# Altium PCB PCB2.PcbDoc
Units mm, origin at the board's own origin, x right, y up, seen from the top; angles counter-clockwise.
Board outline 104.52 x 60.96 mm, 2 copper layers (Top Layer, Bottom Layer); 59 components, 49 nets, 216 pads, 31 vias.
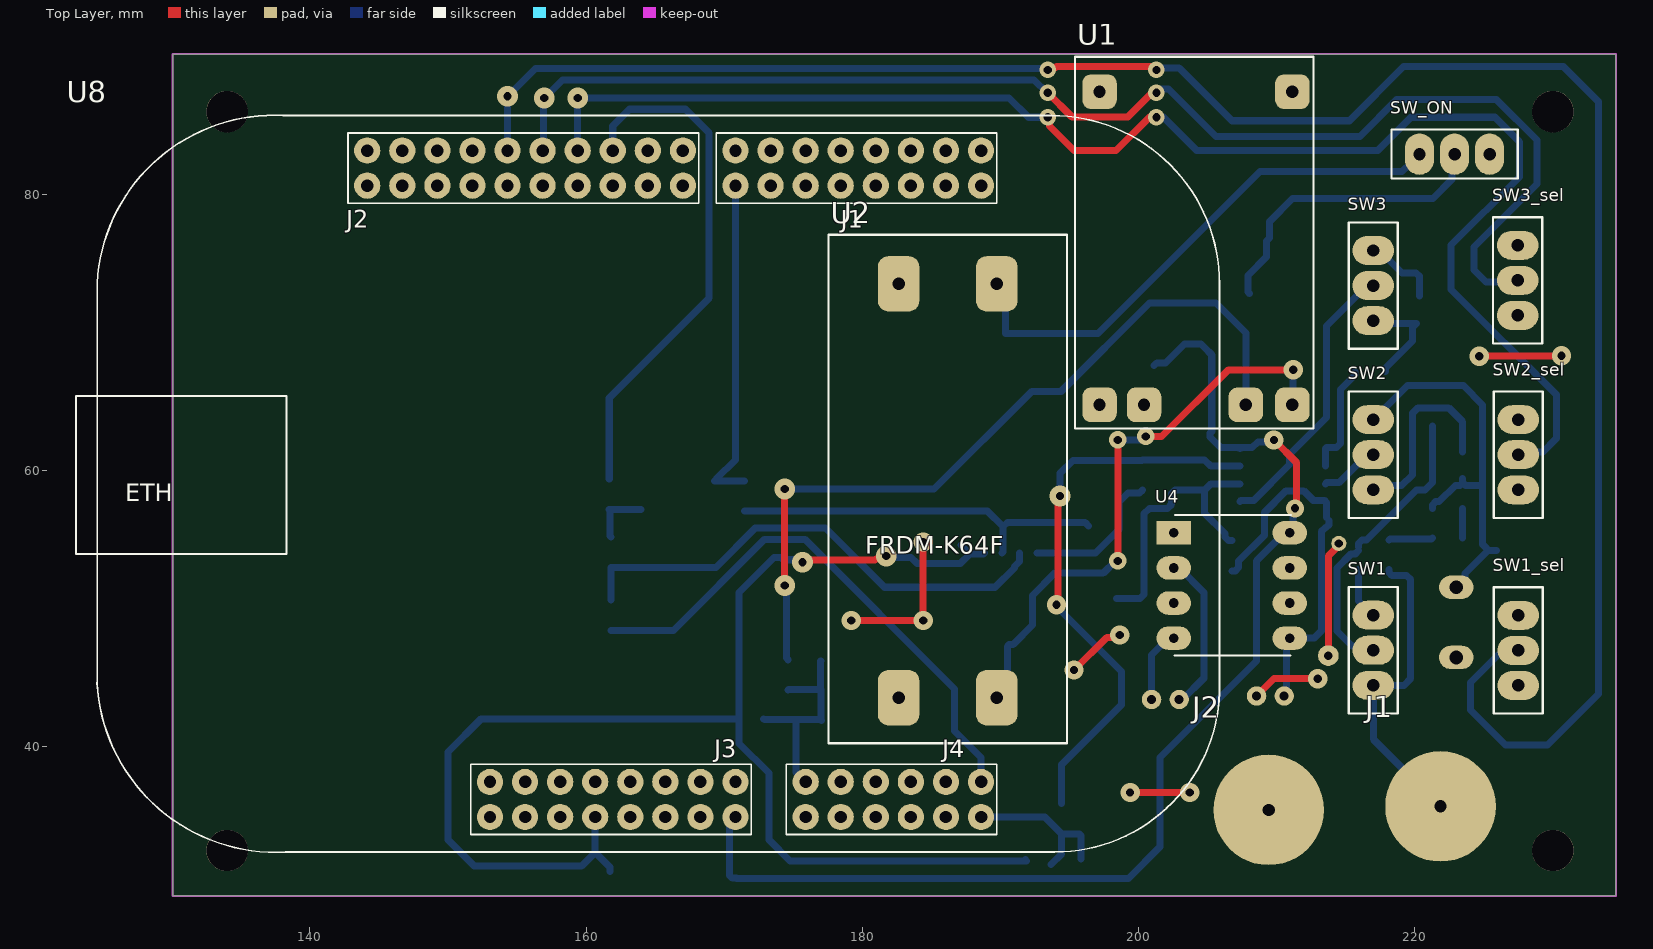
[diagram p0: Top Layer view]
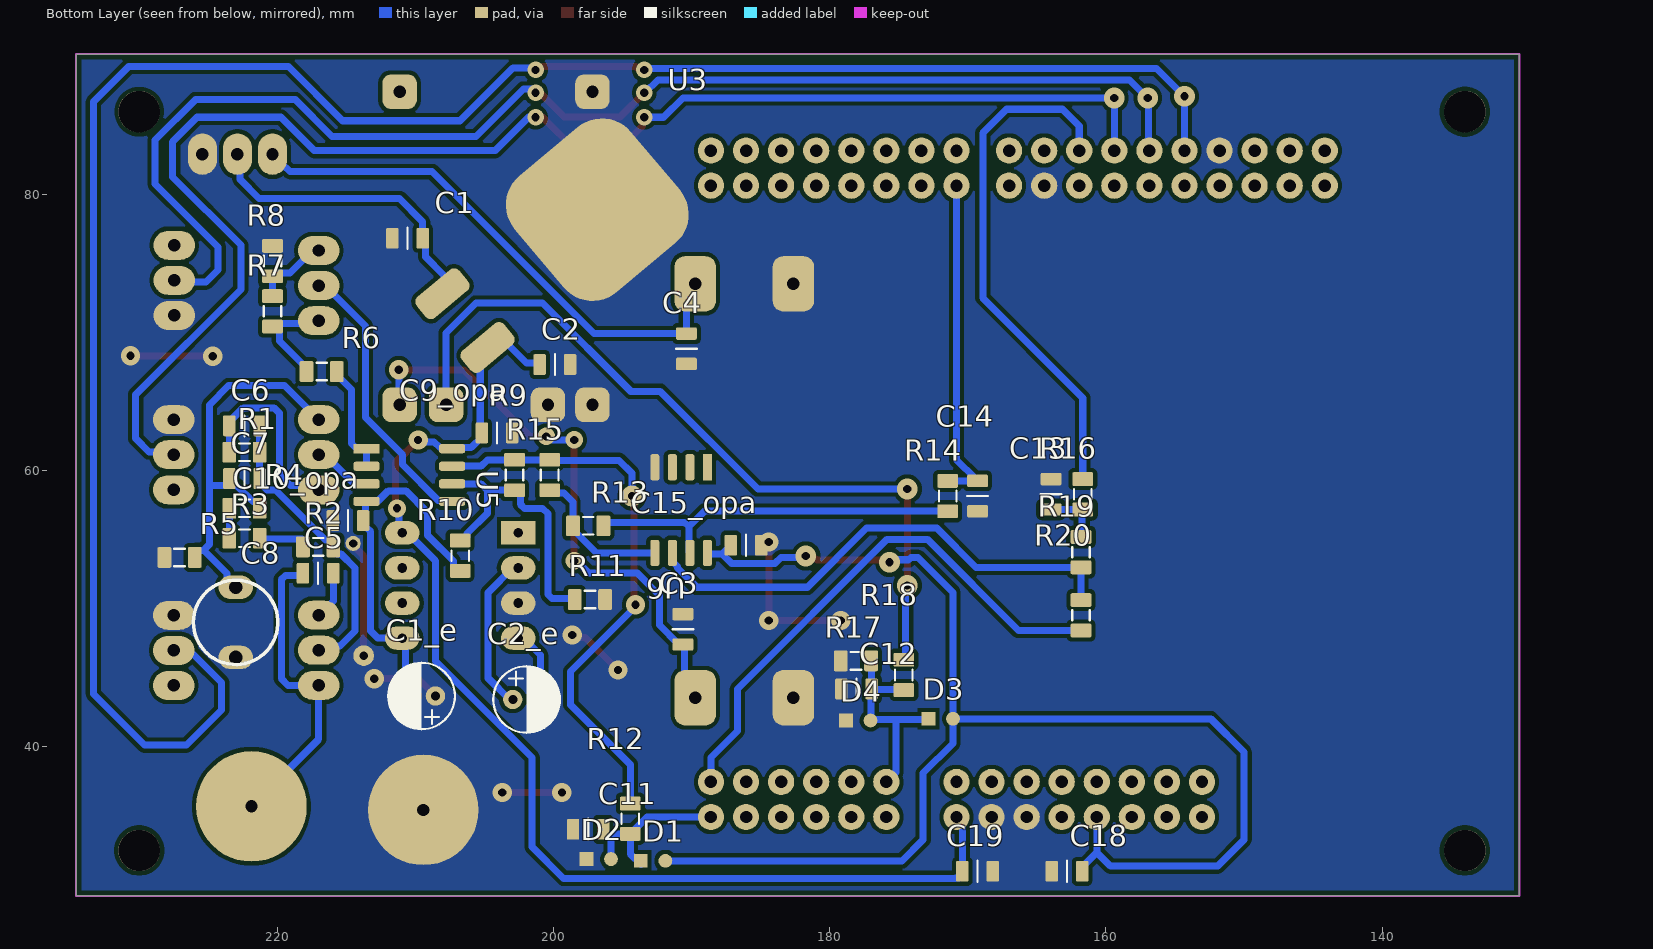
[diagram p1: Bottom Layer view, seen from below]
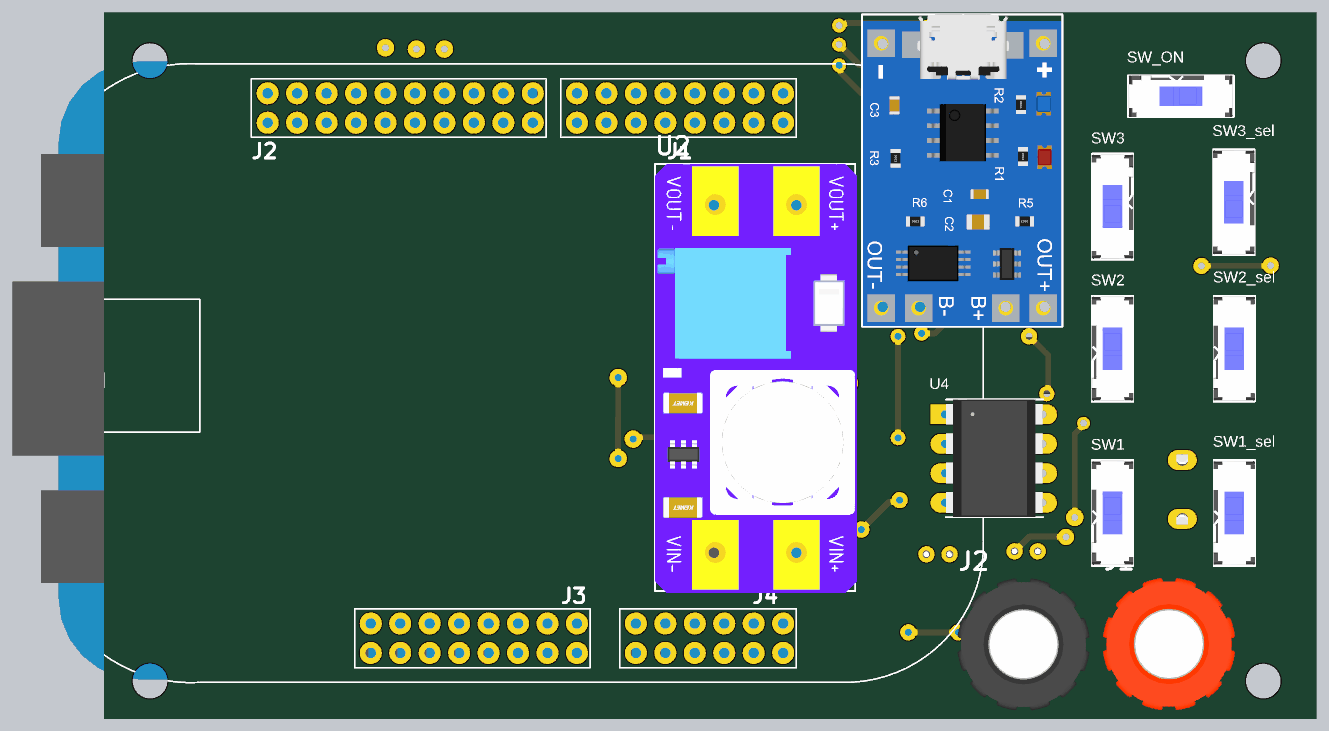
[diagram p2: 3D render of the assembled board from above, using the file's embedded part models]
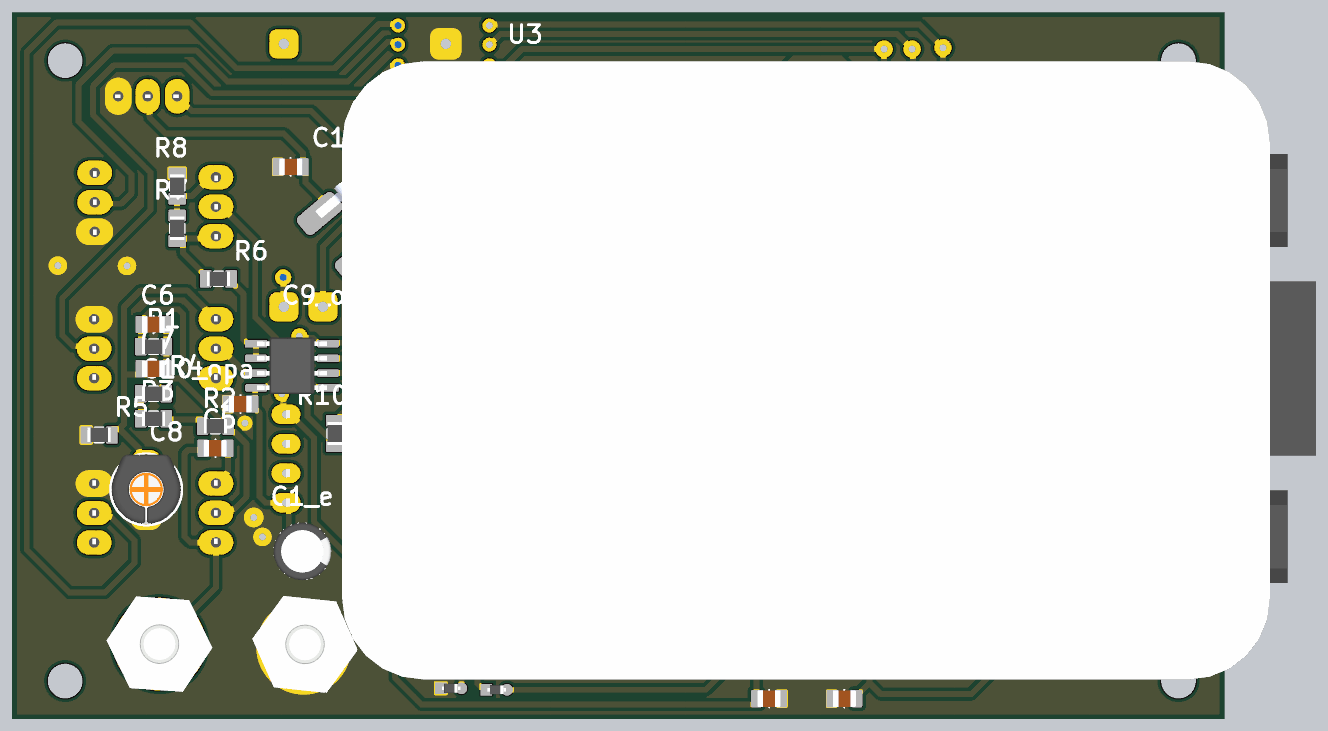
[diagram p3: 3D render of the assembled board from below, using the file's embedded part models]

## Layer stack, top to bottom
Top Solder: solder mask 0.0102, Solder Resist, Dk 3.5
Top Layer: signal copper 0.0356
Dielectric 1: dielectric 0.32, FR-4, Dk 4.8
Bottom Layer: signal copper 0.0356
Bottom Solder: solder mask 0.0102, Solder Resist, Dk 3.5

## Board outline
130.048,29.21 130.048,90.17 234.569,90.17 234.569,29.21

## Design rules (kind name [scope] priority, off if disabled: settings)
Clearance [All] p1: gap=0.31 ignorepadtopadclearanceinfootprint=FALSE
Height [All] p1: minheight=0 maxheight=40 prefheight=12.7
HoleSize [All] p1: absolutevalues=TRUE maxlimit=0.9 minlimit=0.6 maxpercent=80.000 minpercent=20.000
PlaneConnect [All] p1: planeconnectstyle=Direct reliefexpansion=0.508 reliefentries=4 reliefconductorwidth=0.254 reliefairgap=0.254
PolygonConnect [All] p1: connectstyle=Direct reliefconductorwidth=0.254 reliefentries=4 polygonreliefangle="90 Angle" airgapwidth=0.254
RoutingVias [All] p1: holewidth=0.6 width=1.27 viastyle="Through Hole" minholewidth=0.6 minwidth=1.27 maxholewidth=0.6 maxwidth=1.27
SolderMaskExpansion [All] p1: expansion=0.102 istentingtop=FALSE
Width [All] p1: maxlimit=0.508 minlimit=0.508 preferedwidth=0.508 minimp=50.000000 maximp=50.000000 favimp=50.000000
27 further rules are at their usual default settings.

## Components (designator, comment, footprint, x,y, rotation, side; value= is the part's Value field where it differs from the comment)
C1 "220n" 0805_CAPACITOR 210.566,76.835 r180 bottom
C1_e "10u" CAP_THT 209.55,43.688 r180 bottom
C2 "100n" 0805_CAPACITOR 199.898,67.691 r0 bottom
C2_e "10u" CAP_THT 201.946,43.434 r0 bottom
C3 "100n" 0805_CAPACITOR 190.627,48.514 r270 bottom
C4 "100n" 0805_CAPACITOR 190.373,68.834 r270 bottom
C5 "100n" 0805_CAPACITOR 217.043,52.578 r0 bottom
C6 "220p" 0805_CAPACITOR 222.377,63.246 r0 bottom
C7 "7p" 0805_CAPACITOR 222.377,59.436 r0 bottom
C8 "30p" CAP_TRIMM_THT 223.012,49.022 r270 bottom
C9_opa "100n" 0805_CAPACITOR 204.089,62.738 r0 bottom
C10_opa "100n" 0805_CAPACITOR 214.884,56.388 r0 bottom
C11 "100p" 0805_CAPACITOR 197.485,34.036 r180 bottom
C12 "10n" 0805_CAPACITOR 178.054,44.196 r180 bottom
C13 "10n" 0805_CAPACITOR 163.966,58.293 r270 bottom
C14 "100p" 0805_CAPACITOR 169.291,58.166 r90 bottom
C15_opa "100n" 0805_CAPACITOR 186.055,54.61 r0 bottom
C18 "10n" 0805_CAPACITOR 162.814,30.988 r180 bottom
C19 "10n" 0805_CAPACITOR 169.291,30.988 r0 bottom
D1 "1N4148WT" SOD-523 192.786,31.496 r180 bottom
D2 "1N4148WT" SOD-523 196.723,31.623 r180 bottom
D3 "1N4148WT" SOD-523 171.958,41.783 r180 bottom
D4 "1N4148WT" SOD-523 177.927,41.656 r180 bottom
J1 "Banana_conector" Banana_bourne_RED 221.869,35.687 r0 top
J2 "Banana_conector" Banana_bourne_BLACK 209.423,35.433 r0 top
R1 "100k" 0805_RESISTOR 222.377,61.341 r0 bottom
R2 "1M" 0805_RESISTOR 217.043,54.483 r0 bottom
R3 "560k" 0805_RESISTOR 222.377,55.118 r0 bottom
R4 "270K" 0805_RESISTOR 222.377,57.277 r180 bottom
R5 "200k" 0805_RESISTOR 227.076,53.721 r180 bottom
R6 "420" 0805_RESISTOR 216.789,67.183 r180 bottom
R7 "270" 0805_RESISTOR 220.345,71.544 r270 bottom
R8 "150" 0805_RESISTOR 220.345,75.184 r270 bottom
R9 "1k" 0805_RESISTOR 202.819,59.69 r90 bottom
R10 "3k3" 0805_RESISTOR 206.756,53.848 r270 bottom
R11 "1k5" 0805_RESISTOR 197.358,50.673 r180 bottom
R12 "150" 0805_RESISTOR 194.437,34.798 r90 bottom
R13 "100k" 0805_RESISTOR 197.485,56.007 r180 bottom
R14 "1k" 0805_RESISTOR 171.45,58.166 r270 bottom
R15 "150" 0805_RESISTOR 200.279,59.69 r270 bottom
R16 "100k" 0805_RESISTOR 161.671,58.293 r270 bottom
R17 "470k" 0805_RESISTOR 178.097,46.228 r0 bottom
R18 "220k" 0805_RESISTOR 174.625,45.212 r90 bottom
R19 "0" 0805_RESISTOR 161.798,54.102 r270 bottom
R20 "0" 0805_RESISTOR 161.798,49.53 r90 bottom
SW1 "SW" SW 217,47 r90 top
SW1_sel "SW" SW 227.5,46.99 r90 top
SW2 "SW" SW 217,61.159 r90 top
SW2_sel "SW" SW 227.5,61.159 r90 top
SW3 "SW" SW 217,73.406 r270 top
SW3_sel "SW" SW 227.457,73.787 r270 top
SW_ON "SW" SW 222.885,82.931 r0 top
U1 "TP4056" TP0456 204.033,76.27 r90 top
U2 "MT3608" MT3608 177.546,77.089 r270 top
U3 "L7805" D2PAK 200.66,75.692 r230 bottom
U4 "ICL7660S" "8 -PDIP" 206.756,51.435 r0 top
U5 "TL082C" 8-SOIC 210.439,59.69 r180 bottom
U6 "TL082C" 8-SOIC 190.754,57.15 r270 bottom
U8 "FRDMK64F" FRDMK64F 164.973,59.055 r0 top

## Footprints (in the part's own frame and the unit in brackets; to place one, negate y for a bottom-side part, rotate by r counter-clockwise, add the part's x,y. Pads: shape width x height; smd on the part's side, far side on the other; paste and mask are expansions set on the pad)
"8 -PDIP" [mm]
  rect 2.5x1.7 hole 0.7: 1(-4.2,4.064)
  oval 2.5x1.7 hole 0.7: 2(-4.2,1.524) 3(-4.2,-1.016) 4(-4.2,-3.556) 5(4.2,-3.556) 6(4.2,-1.016) 7(4.2,1.524) 8(4.2,4.064)
  silkscreen extent -4.14,-4.81 4.26,5.35, body extent -4.11,-4.81 4.22,5.35, height 6.51
8-SOIC [mm]
  rect 1.9x0.66 smd: 1(-3.1,1.905)
  rrect50% 1.9x0.66 smd: 2(-3.1,0.635) 3(-3.1,-0.635) 4(-3.1,-1.905) 5(3.1,-1.905) 6(3.1,-0.635) 7(3.1,0.635) 8(3.1,1.905)
  body extent -3.01,-2.45 3.01,2.45, height 1.63
0805_CAPACITOR [mm]
  rrect20% 0.9x1.5 smd mask+0.05: 1(-1.1,0) 2(1.1,0)
  silkscreen extent 0,-0.76 0,0.76, body extent -0.98,-0.72 1.02,0.72, height 1.24
0805_RESISTOR [mm]
  rrect20% 1x1.5 smd: 1(-1.1,0) 2(1.1,0)
  silkscreen extent -0.38,-0.64 0.38,0.64, body extent -1,-0.63 1,0.63, height 0.6
Banana_bourne_BLACK [mm]
  round 8 hole 0.9: 1(0,0)
  body extent -5.79,-5.46 5.59,5.92, height 28.19
Banana_bourne_RED [mm]
  round 8 hole 0.9: 1(0,0)
  body extent -5.69,-5.69 5.69,5.69, height 27.49
CAP_THT [mm]
  round 1.4 hole 0.65: 1(-1,0) 2(1,0)
  silkscreen extent -2.41,-2.41 2.41,2.41, body extent -2.5,-2.5 2.5,2.5, height 11
CAP_TRIMM_THT [mm]
  oval 1.7x2.5 hole 1: 1(-2.54,0) 2(2.54,0)
  silkscreen extent -3.06,-3.06 3.06,3.05, body extent -3,-3 3,3, height 4.8
D2PAK [mm]
  rrect50% 11x11 smd: 1(0,5)
  rrect50% 2x4 smd: 2(2.54,-7.5) 3(-2.54,-7.5)
  body extent -5.1,-7.71 5.1,7.71, height 4.8
FRDMK64F [mm]
  round 1.9 hole 0.9: J1-1(23.622,21.59) J1-2(23.622,24.13) J1-3(21.082,21.59) J1-4(21.082,24.13) J1-5(18.542,21.59) J1-6(18.542,24.13) J1-7(16.002,21.59) J1-8(16.002,24.13) J1-9(13.462,21.59) J1-10(13.462,24.13) J1-11(10.922,21.59) J1-12(10.922,24.13) J1-13(8.382,21.59) J1-14(8.382,24.13) J1-15(5.842,21.59) J1-16(5.842,24.13) J2-1(2.032,21.59) J2-2(2.032,24.13) J2-3(-0.508,21.59) J2-4(-0.508,24.13) J2-5(-3.048,21.59) J2-6(-3.048,24.13) J2-7(-5.588,21.59) J2-8(-5.588,24.13) J2-9(-8.128,21.59) J2-10(-8.128,24.13) J2-11(-10.668,21.59) J2-12(-10.668,24.13) J2-13(-13.208,21.59) J2-14(-13.208,24.13) J2-15(-15.748,21.59) J2-16(-15.748,24.13) J2-17(-18.288,21.59) J2-18(-18.288,24.13) J2-19(-20.828,21.59) J2-20(-20.828,24.13) J3-1(-11.938,-21.59) J3-2(-11.938,-24.13) J3-3(-9.398,-21.59) J3-4(-9.398,-24.13) J3-5(-6.858,-21.59) J3-6(-6.858,-24.13) J3-7(-4.318,-21.59) J3-8(-4.318,-24.13) J3-9(-1.778,-21.59) J3-10(-1.778,-24.13) J3-11(0.762,-21.59) J3-12(0.762,-24.13) J3-13(3.302,-21.59) J3-14(3.302,-24.13) J3-15(5.842,-21.59) J3-16(5.842,-24.13) J4-1(10.922,-21.59) J4-2(10.922,-24.13) J4-3(13.462,-21.59) J4-4(13.462,-24.13) J4-5(16.002,-21.59) J4-6(16.002,-24.13) J4-7(18.542,-21.59) J4-8(18.542,-24.13) J4-9(21.082,-21.59) J4-10(21.082,-24.13) J4-11(23.622,-21.59) J4-12(23.622,-24.13)
  silkscreen extent -41.91,-26.69 40.89,26.69, body extent -42.85,-26.42 41.15,26.88
MT3608 [mm]
  rrect50% 4x3 hole 0.9: 1(3.556,12.192) 2(3.556,5.08) 3(33.528,5.08) 4(33.528,12.192)
  silkscreen extent 0,0 36.83,17.27, body extent 0,0 37,17.4, height 7.6
SOD-523 [mm]
  rect 1x1 smd: 1(-0.889,0.254)
  round 1 smd: 2(0.889,0.254)
  body extent -0.8,-0.15 0.8,0.65, height 0.65
SW [mm] "3pin"
  oval 2.1x3 hole 0.9: 1(-2.54,0) 2(0,0) 3(2.54,0)
  silkscreen extent -4.57,-1.78 4.57,1.78, body extent -4.5,-1.8 4.5,1.8, height 5.5
TP0456 [mm]
  rrect50% 2.5x2.5 hole 0.9: 1(-11.5,6.858) 2(-11.5,3.634) 3(-11.5,-3.739) 4(-11.5,-7.112) 5(11.176,-7.112) 6(11.176,6.858)
  silkscreen extent -13.21,-8.64 13.72,8.64, body extent -13.13,-8.55 13.77,8.55, height 4.28

## Part data
C1 C2 C3 C4 C5 C6 C7 C9_opa C10_opa C11 C12 C13 C14 C15_opa C18 C19: library part Capacitor_0805
C1_e C2_e: library part EEU-FC1E470, "CAP ALUM 47UF 20% 25V RADIAL TH"
C8: library part CAP_TRIMM_THT
R1 R2 R3 R4 R5 R6 R7 R8 R9 R10 R11 R12 R13 R14 R15 R16 R17 R18 R19 R20: library part 0805_resistor
U3: "IC REG LINEAR 5V 1.5A"

## Free pads (board coordinates)
  round 3 hole 3 unplated: 1(134,86) 2(134,32.5) 3(230,32.5) 4(230,86)
  round 1.1 hole 0.6: 5(214.503,54.737)
  round 1.5 hole 0.6: 6(213.741,46.609)

## Via types
v1: diameter 1.4, hole 0.6, Top Layer to Bottom Layer, 13 vias
v2: diameter 1.5, hole 0.6, Top Layer to Bottom Layer, 8 vias
v3: diameter 1.2, hole 0.6, Top Layer to Bottom Layer, 6 vias
v4: diameter 1.27, hole 0.6, Top Layer to Bottom Layer, 3 vias
v5: diameter 1.3, hole 0.6, Top Layer to Bottom Layer, 1 vias

## Nets (pads, with @x,y where several pads share a name; then routed paths per layer and width w, separated by ;. In a path a pad name is that pad's centre, name@x,y a point inside that pad or via, vN(x,y) a via of type N, cw(c..) or ccw(c..) an arc to the next point about the centre after c; other vN are vias at no path point)
3V3: C15_opa.2 C18.2 D1.2 D3.2 U6.8 U8.J3-8 | length 103.5
  Top Layer w0.508: v2(175.664,53.363) 175.823,53.522 180.927,53.522 181.046,53.642 181.531,53.642 v2(181.721,53.832)
  Bottom Layer w0.508: U8.J3-8 160.655,32.347 ; C18.2 161.714,31.288 160.655,32.347 ; v2(175.664,53.363) 175.475,53.553 174.285,53.553 174.117,53.721 173.609,53.721 171.069,51.181 D3.2 ; v2(181.721,53.832) 181.831,53.721 183.52,53.721 183.945,53.296 187.111,53.296 187.79,53.975 ; C15_opa.2 187.79,53.975 ; U6.8 188.774,53.975 187.79,53.975 ; D1.2@191.803,31.844 D1.2 174.752,31.75 173.228,33.274 173.228,38.1 171.069,40.259 D3.2 ; 160.655,32.347 159.677,31.369 151.892,31.369 149.987,33.274 149.987,39.624 152.4,42.037 D3.2
+5V: C2.2 C9_opa.2 C19.2 U3.2 U4.8 U5.8 U8.J3-16 | length 87.6
  Top Layer w0.508: v1(209.804,62.23) 211.455,60.579 211.455,57.404 v5(211.328,57.277)
  Bottom Layer w0.508: U8.J3-16 170.815,34.709 170.391,34.285 170.391,30.688 170.587,30.492 170.873,30.492 170.885,30.48 199.263,30.48 201.549,32.766 201.549,39.243 208.534,46.228 208.534,53.477 210.556,55.499 U4.8 211.309,55.852 211.182,55.979 211.182,57.131 v5(211.328,57.277) ; C2.2@201.125,67.61 201.321,67.806 201.961,67.806 203.321,69.166 204.532,69.166 U3.2 205.302,68.396 205.302,62.851 C9_opa.2 205.189,62.438 205.956,61.671 207.263,61.671 U5.8 207.415,61.671 208.229,61.671 208.642,62.084 209.658,62.084 v1(209.804,62.23)
-5V: C1_e.1 C10_opa.1 R10.2 U4.5 U5.4 | length 27.1
  Bottom Layer w0.508: R10.2 207.006,52.748 207.252,52.994 207.252,53.455 209.105,55.308 209.105,56.959 210.693,58.547 211.963,58.547 212.649,57.861 213.463,57.861 213.614,57.71 C10_opa.1@213.614,56.599 ; C1_e.1 210.721,43.859 210.721,47.644 U4.5 212.725,47.879 213.233,48.387 213.233,55.594 213.531,55.892 213.588,55.892 213.784,56.088 C10_opa.1
AC/DC: SW1_sel.2 U8.J2-12 | length 149.4
  Top Layer w0.508: v3(193.421,89.027) 193.553,89.159 193.964,89.159 194.065,89.26 201.189,89.26 v3@201.295,89.154
  Bottom Layer w0.508: U8.J2-12 v2(154.305,87.11) 156.322,89.127 193.321,89.127 v3(193.421,89.027) ; v3@201.295,89.154 202.946,89.154 206.756,85.344 215.265,85.344 219.202,89.281 230.759,89.281 233.318,86.722 233.318,43.834 229.616,40.132 226.582,40.132 224.028,42.686 224.028,44.656 226.057,46.685 227.195,46.685 SW1_sel.2
  other v3: 201.295,89.027
ADC0_DP1: C12.2 D3.1 D4.2 R17.1 R18.1 U8.J4-1 | length 15.7
  Bottom Layer w0.508: D3.1 172.91,41.974 175.196,41.974 ; R18.1 174.667,44.154 176.912,44.154 C12.2 ; U8.J4-1 175.196,38.163 175.196,41.974 ; R17.1 176.976,46.207 176.976,44.218 C12.2 ; D4.2 D4.2@176.975,41.974 ; 175.196,41.974 D4.2@176.975,41.974 ; C12.2 176.996,44.154 176.996,41.995 D4.2@176.975,41.974
atenuation: SW2_sel.2 U8.J2-8 | length 107.5
  Top Layer w0.508: v3(193.421,85.598) 193.553,85.466 193.553,84.958 195.326,83.185 198.374,83.185 200.787,85.598 v3(201.295,85.598)
  Bottom Layer w0.508: U8.J2-8 v2(159.385,86.995) 190.627,86.995 192.024,85.598 v3(193.421,85.598) ; v3(201.295,85.598) 201.803,85.598 204.216,83.185 217.325,83.185 219.738,85.598 225.806,85.598 227.584,83.82 227.584,81.28 222.637,76.333 222.637,73.136 230.251,65.522 230.251,62.329 229.289,61.367 227.708,61.367 SW2_sel.2
BAT+: R18.2 U1.3 | length 57.6
  Top Layer w0.508: v2(174.371,51.689) 174.35,51.71 174.35,55.171 174.371,55.192 v2(174.371,58.674)
  Bottom Layer w0.508: v2(174.371,51.689) 174.498,51.562 174.498,46.439 R18.2 ; v2(174.371,58.674) 185.195,58.674 192.275,65.754 194.405,65.754 200.787,72.136 205.613,72.136 207.772,69.977 U1.3
DAC: R20.1 U8.J4-11 | length 39.6
  Bottom Layer w0.508: R20.1 166.318,48.43 172.923,55.035 175.851,55.035 186.682,44.204 186.682,41.156 188.595,39.243 U8.J4-11
div2/5: SW3_sel.2 U8.J2-10 | length 97
  Top Layer w0.508: v3(193.421,87.376) 195.165,85.632 199.246,85.632 201.244,87.63 v3@201.295,87.63
  Bottom Layer w0.508: U8.J2-10 156.909,83.248 156.909,86.931 v2(156.972,86.995) 158.286,88.309 192.428,88.309 193.361,87.376 v3(193.421,87.376) ; v3@201.295,87.63 202.184,87.63 205.613,84.201 216.027,84.201 218.694,86.868 225.933,86.868 228.854,83.947 228.854,80.772 224.282,76.2 224.282,74.549 225.171,73.66 226.975,73.66 227.152,73.482 SW3_sel.2
  other v3: 201.295,87.376
GND: C1.1 C1_e.2 C2.1 C3.1 C4.2 C8.2 C9_opa.1 C10_opa.2 C11.1 C12.1 C13.1 C14.1 C15_opa.1 C18.1 C19.1 D2.1 D4.1 J2.1 pad.5 pad.6 R5.1 R8.1 R11.2 R17.2 SW1_sel.3 SW2_sel.3 SW3_sel.3 SW_ON.3 U1.1 U1.2 U1.6 U2.2 U2.3 U3.1 U4.3 U6.4 U8.J2-3 U8.J2-14 U8.J3-12 U8.J3-14 | length 39.3
  Top Layer w0.508: v1(179.197,49.149) v1(184.404,49.149) 184.408,49.153 184.408,54.832 v1(184.411,54.835) ; v1(195.333,45.564) 197.702,47.933 198.464,47.933 v1(198.635,48.104) ; v1(199.39,36.703) v1(203.708,36.703) ; C1_e.2 209.814,44.952 212.963,44.952 v1(212.986,44.929) ; pad.6 213.741,53.815 214.503,54.577 pad.5 ; v1@224.67,68.538 v1(224.67,68.297) 224.684,68.312 230.618,68.312 v1(230.632,68.326) ; SW3_sel.3@227.379,71.247 SW3_sel.3
Input: C5.2 J1.1 SW1.1 | length 22.9
  Bottom Layer w0.508: C5.2@218.143,52.832 218.143,52.621 218.339,52.425 219.412,52.425 219.71,52.127 219.71,44.958 219.212,44.46 SW1.1 217,40.556 J1.1
NetC1_2: C1.2 SW_ON.2 U3.3 | length 22.3
  Bottom Layer w0.508: U3.3 207.92,72.934 207.92,74.145 209.27,75.495 209.27,76.639 209.477,76.846 209.477,78.032 211.155,79.71 221.315,79.71 222.712,81.107 222.712,82.758 SW_ON.2
NetC2_e_1: C2_e.1 U4.4 | length 5.4
  Bottom Layer w0.508: C2_e.1@200.93,43.434 200.93,46.653 202.156,47.879 U4.4
NetC2_e_2: C2_e.2 U4.2 | length 11.5
  Bottom Layer w0.508: U4.2 202.956,52.959 204.724,51.191 204.724,44.971 203.187,43.434 C2_e.2
NetC3_2: C3.2 U1.4 U2.4 | length 42.4
  Top Layer w0.508: v4(198.501,53.467) v4(198.501,62.23) ; v4(200.533,62.484) 201.676,62.484 206.502,67.31 v1(211.201,67.31)
  Bottom Layer w0.508: U2.4 190.373,43.561 190.5,43.688 190.5,47.287 C3.2 190.927,47.414 192.328,48.815 192.328,50.977 193.929,52.578 197.441,52.578 198.33,53.467 v4(198.501,53.467) ; U2.4@190.373,44.531 U2.4@190.399,44.557 ; v4(198.501,62.23) 200.073,62.23 200.327,62.484 v4(200.533,62.484) ; U1.4 211.173,64.798 211.173,67.282 v1(211.201,67.31)
NetC4_1: C4.1 SW_ON.1 U2.1 | length 39
  Bottom Layer w0.508: U2.1@190.373,73.533 C4.1 197.061,69.934 208.788,81.661 219.075,81.661 219.347,81.933 219.366,81.933 220.345,82.912 SW_ON.1
NetC5_1: C5.1 SW1.3 | length 3.7
  Bottom Layer w0.508: C5.1@215.943,52.832 215.943,50.578 216.981,49.54 SW1.3
NetC6_1: C6.1 C7.1 R1.1 R2.1 SW1.2 | length 21.4
  Bottom Layer w0.508: R2.1@215.943,54.233 215.697,53.987 215.404,53.987 214.376,52.959 214.376,48.387 215.458,47.305 216.695,47.305 SW1.2 ; R2.1 215.943,54.733 216.189,54.979 216.523,54.979 220.135,58.591 220.732,58.591 221.081,58.94 221.277,59.136 R1.1 C6.1
NetC6_2: C6.2 R1.2 SW2.1 | length 14.2
  Bottom Layer w0.508: SW2.1 217.305,58.924 219.057,58.924 219.837,59.704 219.837,64.162 220.235,64.56 222.463,64.56 223.477,63.546 R1.2
NetC7_2: C7.2 C8.1 R4.2 R5.2 SW2.3 | length 29.3
  Bottom Layer w0.508: SW2.3 217.019,63.699 217.998,64.678 217.998,64.697 219.468,66.167 223.52,66.167 224.917,64.77 224.917,58.928 ; R4.2 221.277,57.527 221.523,57.773 221.773,57.773 222.94,58.94 223.281,58.94 C7.2@223.477,59.136 ; C8.1 223.089,51.562 223.64,52.113 223.64,52.552 225.317,54.229 R5.2@225.933,54.229 ; C7.2 C7.2@223.477,59.136 ; 225.215,54.375 224.917,54.672 224.917,58.928 ; C7.2@223.477,59.136 223.673,58.94 223.959,58.94 223.971,58.928 224.917,58.928
NetC13_2: C13.2 R16.2 R19.1 | length 4.3
  Bottom Layer w0.508: R19.1 161.734,55.266 161.734,57.129 R16.2 C13.2
NetR2_2: R2.2 R3.1 | length 3.2
  Bottom Layer w0.508: R2.2@218.143,54.991 218.207,55.054 221.213,55.054 R3.1
NetR3_2: R3.2 R4.1 | length 2.2
  Bottom Layer w0.508: R3.2 R4.1
NetR6_1: R6.1 R7.2 SW3.3 | length 7.6
  Bottom Layer w0.508: SW3.3 217.211,70.655 220.134,70.655 219.849,70.37 219.849,69.393 217.889,67.433 R6.1
NetR6_2: R6.2 U5.1 U5.2 | length 8.2
  Bottom Layer w0.508: U5.2 U5.1 213.615,61.671 214.332,61.671 214.63,61.969 214.63,65.874 215.689,66.933 R6.2
NetR7_1: R7.1 R8.2 SW3.1 | length 5.6
  Bottom Layer w0.508: SW3.1 217.45,75.946 219.066,74.33 220.099,74.33 R8.2 R7.1
NetR9_1: R9.1 R10.1 R11.1 U5.6 | length 20.8
  Bottom Layer w0.508: R11.1@198.422,50.746 200.108,50.746 200.406,51.044 200.406,56.896 200.787,57.277 202.107,57.277 202.404,57.575 202.404,58.344 202.65,58.59 R9.1 204.785,58.59 ; R10.1 206.506,54.948 206.26,55.194 206.26,55.444 204.785,56.919 204.785,58.59 ; U5.6 205.25,59.055 204.785,58.59
NetR13_1: R13.1 R15.2 U6.5 | length 10.7
  Bottom Layer w0.508: U6.5 196.878,54.05 198.585,55.757 R13.1 198.585,57.742 199.229,58.386 200.075,58.386 R15.2
NetR13_2: R13.2 R14.2 U6.7 | length 27.6
  Bottom Layer w0.508: R14.2 189.077,57.066 190.195,55.948 ; U6.7 190.195,54.126 190.195,55.948 ; R13.2 196.385,56.011 196.139,56.257 190.504,56.257 190.195,55.948
NetR19_2: R19.2 R20.2 U6.6 | length 36.4
  Bottom Layer w0.508: R20.2 R19.2 169.39,53.002 172.241,55.853 177.319,55.853 181.61,51.562 189.612,51.562 191.013,52.963 191.013,53.054 191.389,53.43 U6.6
NetSW2_2: SW2.2 U5.3 | length 4.3
  Bottom Layer w0.508: U5.3 213.615,59.131 214.522,59.131 216.55,61.159 SW2.2
NetSW3_2: SW3.2 U5.5 | length 20.4
  Bottom Layer w0.508: U5.5 207.415,57.861 208.356,57.861 210.947,60.452 210.947,61.181 213.614,63.848 213.614,70.47 216.55,73.406 SW3.2
Out_offset: R9.2 R12.2 R15.1 U5.7 | length 41.4
  Top Layer w0.508: v1(194.056,50.292) 194.183,50.419 194.183,58.039 v2(194.31,58.166)
  Bottom Layer w0.508: v1(194.056,50.292) 194.056,50.165 198.755,45.466 198.755,43.053 194.437,38.735 R12.2 ; v2(194.31,58.166) 194.31,59.817 195.241,60.748 200.237,60.748 R15.1 R9.2 204.785,60.79 205.25,60.325 U5.7
PTA1: U8.J1-8
PTA2: U8.J1-12
PTB2: U8.J4-2
PTB3: U8.J4-4
PTB9: U8.J1-6
PTB10: U8.J4-6
PTB11: U8.J4-8
PTB23: U8.J1-10
PTC2: U8.J1-14
PTC3: U8.J1-16
PTC4: U8.J2-4
PTC10: C11.2 D1.1 D2.2 R12.1 U8.J4-12 | length 12
  Bottom Layer w0.508: U8.J4-12 193.21,34.925 R12.1 ; D1.1@193.675,31.496 194.437,32.258 R12.1 ; D2.2 195.834,33.571 195.707,33.698 R12.1
PTC11: U8.J4-10
PTC12: U8.J2-2
PWM: R16.1 U8.J2-6 | length 38
  Bottom Layer w0.508: R16.1 161.671,65.278 168.91,72.517 168.91,84.455 167.188,86.177 163.139,86.177 161.925,84.963 U8.J2-6
TRIG: C14.2 R14.1 U8.J1-15 | length 23.9
  Bottom Layer w0.508: C14.2 169.545,59.266 169.61,59.266 170.954,59.266 R14.1 ; C14.2@169.451,59.426 170.815,60.79 U8.J1-15
pads on no net: SW1_sel.1 SW2_sel.1 SW3_sel.1 U1.5 U4.1 U4.6 U4.7 U6.1 U6.2 U6.3 U8.J1-1 U8.J1-2 U8.J1-3 U8.J1-4 U8.J1-5 U8.J1-7 U8.J1-9 U8.J1-11 U8.J1-13 U8.J2-1 U8.J2-5 U8.J2-7 U8.J2-9 U8.J2-11 U8.J2-13 U8.J2-15 U8.J2-16 U8.J2-17 U8.J2-18 U8.J2-19 U8.J2-20 U8.J3-1 U8.J3-2 U8.J3-3 U8.J3-4 U8.J3-5 U8.J3-6 U8.J3-7 U8.J3-9 U8.J3-10 U8.J3-11 U8.J3-13 U8.J3-15 U8.J4-3 U8.J4-5 U8.J4-7 U8.J4-9

## Polygon pours and split planes (outlines as drawn)
GND on Bottom Layer "NONET_L-01_P-001" (solid, pour order 0): 130.175,90.297 130.048,90.17 130.048,29.083 234.442,29.083 234.569,29.21 234.442,29.337 234.442,90.043

## Keep-outs
Keep-Out Layer:
  the board outline again, w0.16

## Text inside footprints (layer, text, board x,y; h text height)
C1: Mechanical 13 "Designator" at 210.566,77.023 h1
C2: Mechanical 13 "Designator" at 199.898,67.503 h1 r180
C3: Mechanical 13 "Designator" at 190.439,48.514 h1 r90
C4: Mechanical 13 "Designator" at 190.185,68.834 h1 r90
C5: Mechanical 13 "Designator" at 217.043,52.39 h1 r180
C6: Mechanical 13 "Designator" at 222.377,63.058 h1 r180
C7: Mechanical 13 "Designator" at 222.377,59.248 h1 r180
C9_opa: Mechanical 13 "Designator" at 204.089,62.55 h1 r180
C10_opa: Mechanical 13 "Designator" at 214.884,56.2 h1 r180
C11: Mechanical 13 "Designator" at 197.485,34.224 h1
C12: Mechanical 13 "Designator" at 178.054,44.384 h1
C13: Mechanical 13 "Designator" at 163.778,58.293 h1 r90
C14: Mechanical 13 "Designator" at 169.479,58.166 h1 r270
C15_opa: Mechanical 13 "Designator" at 186.055,54.422 h1 r180
C18: Mechanical 13 "Designator" at 162.814,31.176 h1
C19: Mechanical 13 "Designator" at 169.291,30.8 h1 r180
R1: Mechanical 13 "Designator" at 222.377,61.153 h1 r180
R2: Mechanical 13 "Designator" at 217.043,54.295 h1 r180
R3: Mechanical 13 "Designator" at 222.377,54.93 h1 r180
R4: Mechanical 13 "Designator" at 222.377,57.465 h1
R5: Mechanical 13 "Designator" at 227.076,53.909 h1
R6: Mechanical 13 "Designator" at 216.789,67.371 h1
R7: Mechanical 13 "Designator" at 220.157,71.544 h1 r90
R8: Mechanical 13 "Designator" at 220.157,75.184 h1 r90
R9: Mechanical 13 "Designator" at 203.007,59.69 h1 r270
R10: Mechanical 13 "Designator" at 206.568,53.848 h1 r90
R11: Mechanical 13 "Designator" at 197.358,50.861 h1
R12: Mechanical 13 "Designator" at 194.625,34.798 h1 r270
R13: Mechanical 13 "Designator" at 197.485,56.195 h1
R14: Mechanical 13 "Designator" at 171.262,58.166 h1 r90
R15: Mechanical 13 "Designator" at 200.091,59.69 h1 r90
R16: Mechanical 13 "Designator" at 161.483,58.293 h1 r90
R17: Mechanical 13 "Designator" at 178.097,46.04 h1 r180
R18: Mechanical 13 "Designator" at 174.813,45.212 h1 r270
R19: Mechanical 13 "Designator" at 161.61,54.102 h1 r90
R20: Mechanical 13 "Designator" at 161.986,49.53 h1 r270
U8: Top Overlay "J1" at 178.435,77.597 h1.27; Top Overlay "J2" at 142.621,77.597 h1.27; Top Overlay "J4" at 185.801,39.243 h1.27; Top Overlay "J3" at 169.291,39.243 h1.27; Top Overlay "ETH" at 126.619,57.785 h1.27; Top Overlay "FRDM-K64F" at 180.213,53.975 h1.27